# Altium PCB PCB.PcbDoc (part 2 of 2)
Units mm, origin at the board's own origin, x right, y up, seen from the top; angles counter-clockwise.
Board outline 90 x 90 mm, 4 copper layers (Component Side, Power, Ground Plane, Solder Side), stack 1.474 mm thick; 113 components, 123 nets, 573 pads, 264 vias.
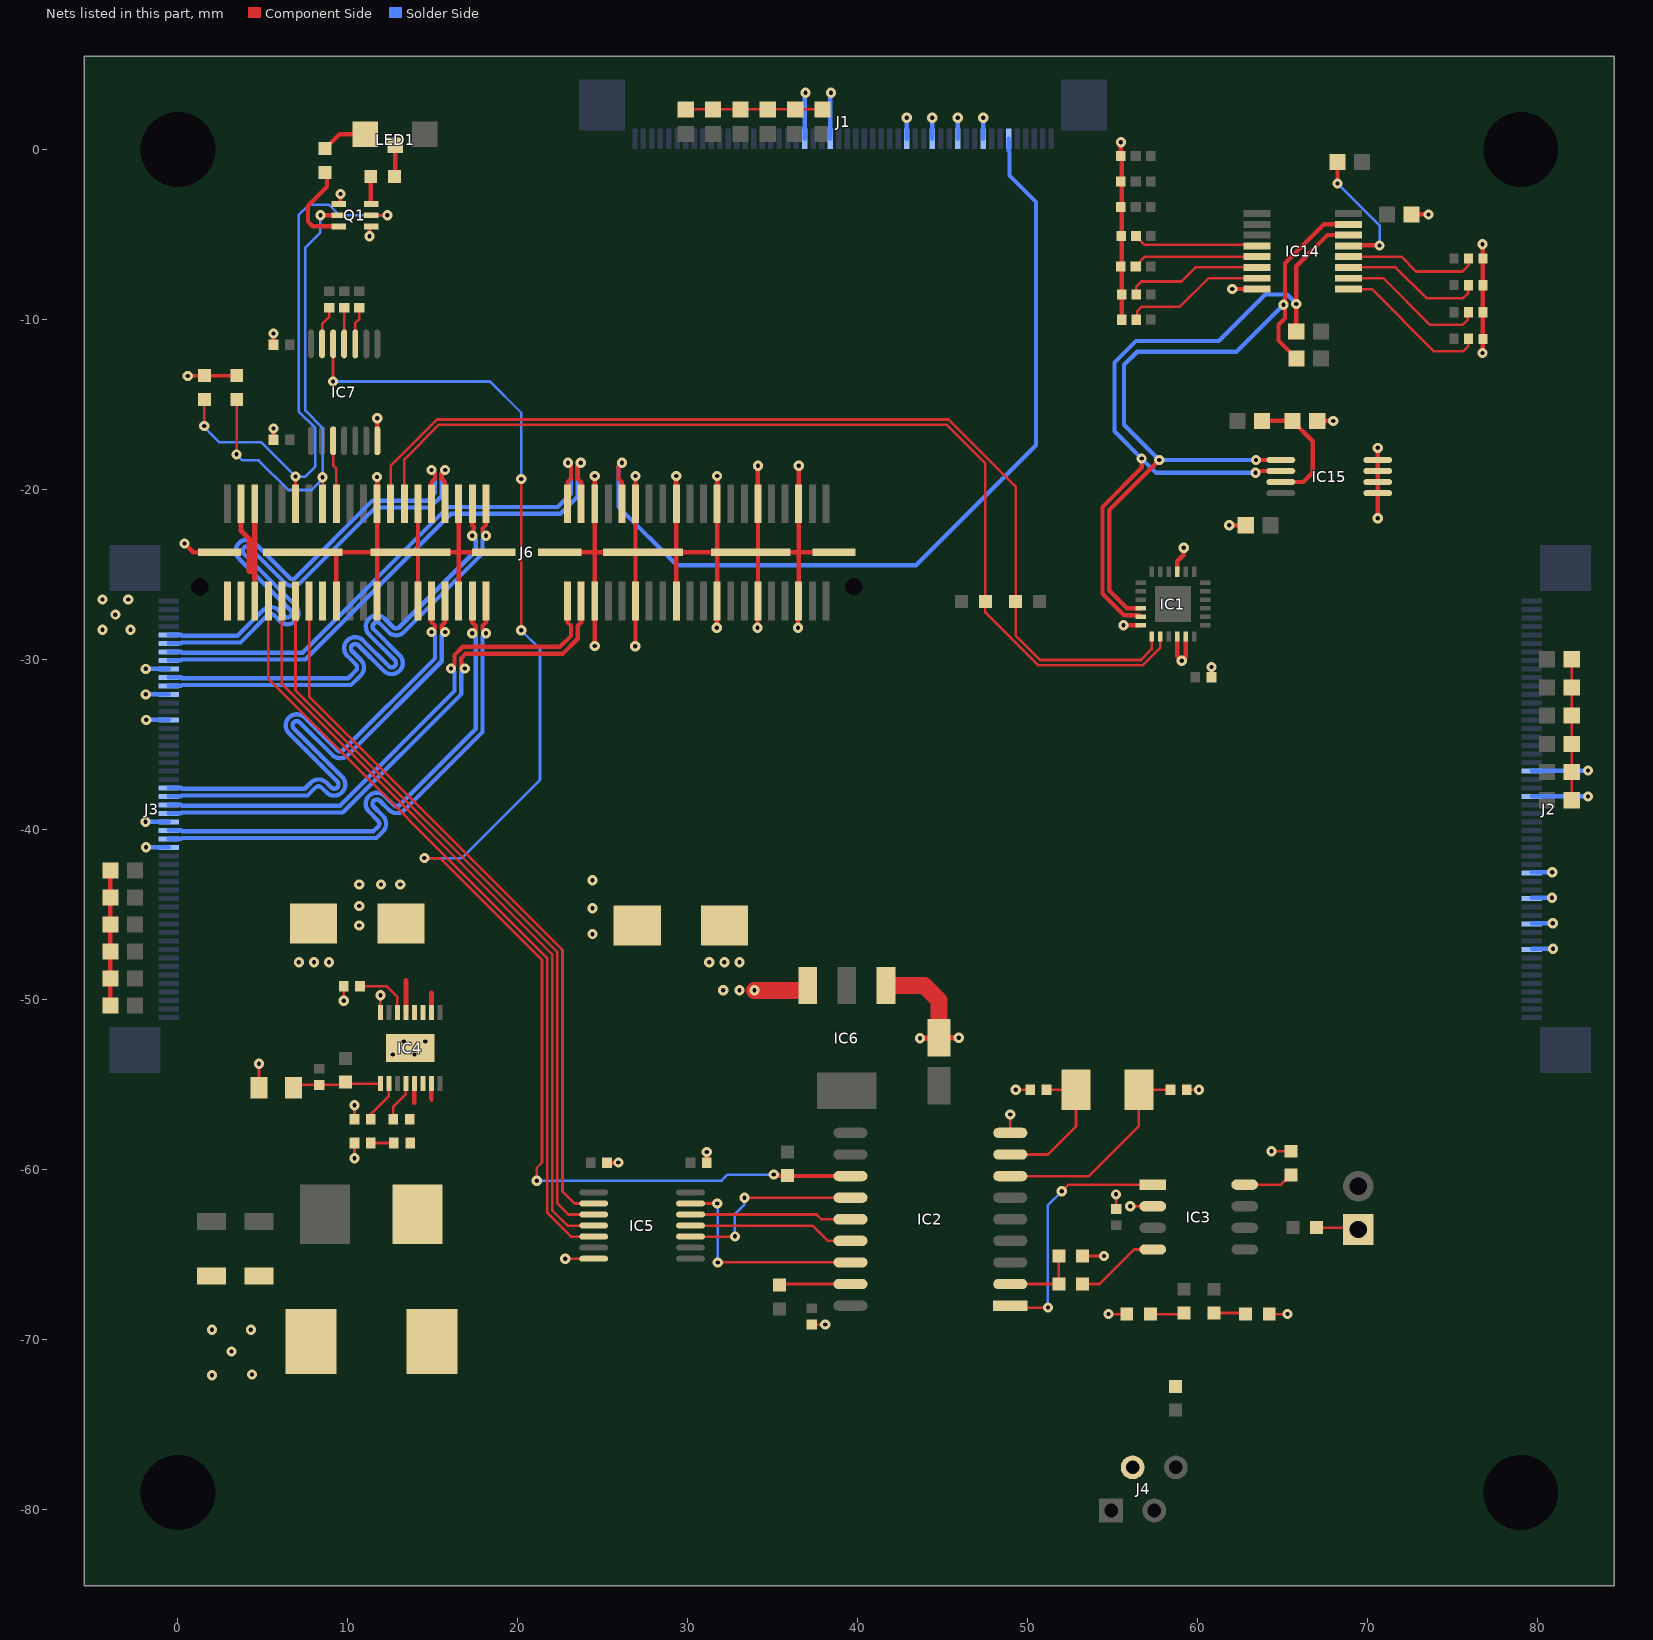
[diagram p4: the nets of this part, all layers, seen from the top]

## Via types
v1: diameter 0.6, hole 0.25, Component Side to Solder Side, 259 vias
v2: diameter 0.6, hole 0.25, Component Side to Solder Side, tented both sides, 4 vias
v3: diameter 0.6, hole 0.25, Component Side to Solder Side, tented bottom, 1 vias

## Nets (pads, with @x,y where several pads share a name; then routed paths per layer and width w, separated by ;. In a path a pad name is that pad's centre, name@x,y a point inside that pad or via, vN(x,y) a via of type N, cw(c..) or ccw(c..) an arc to the next point about the centre after c; other vN are vias at no path point) (continued)
CSI3_D1_P: J1.6 J6.32 | length 52.8
  Component Side w0.25: J6.32@26.119,-20.826 26.119,-19.565 25.92,-19.366 25.92,-18.627 v1(26.12,-18.427)
  Solder Side w0.25: v1(26.12,-18.427) 25.92,-18.627 25.92,-21.018 29.352,-24.45 43.415,-24.45 50.475,-17.39 50.475,-3.082 48.924,-1.53 48.924,-0.131 48.875,-0.082 J1.6@48.875,0.643
CSI4_CLK_N: J3.28 J6.43 | length 30.9
  Component Side w0.25: v1(17.314,-28.451) 17.515,-28.251 17.515,-28.015 17.316,-27.816 J6.43@17.316,-26.556
  Solder Side w0.25: J3.28@-0.55,-40.049 0.176,-40.049 0.225,-40.098 11.507,-40.098 11.769,-39.836 ccw(c11.593,-39.659) 11.843,-39.659 ccw(c11.593,-39.659) 11.769,-39.482 11.236,-38.948 cw(c11.697,-38.487) 12.158,-38.026 12.692,-38.56 ccw(c12.868,-38.383) 13.045,-38.56 17.515,-34.09 17.515,-28.652 v1(17.314,-28.451)
CSI4_CLK_P: J3.29 J6.41 | length 31.6
  Component Side w0.25: J6.41@18.116,-26.556 18.116,-27.816 17.917,-28.015 17.917,-28.251 v1(18.118,-28.451)
  Solder Side w0.25: J3.29@-0.55,-40.549 0.176,-40.549 0.225,-40.5 11.674,-40.5 12.054,-40.12 ccw(c11.593,-39.659) 12.245,-39.659 ccw(c11.593,-39.659) 12.054,-39.198 11.52,-38.664 cw(c11.697,-38.487) 11.519,-38.311 ; 11.52,-38.31 cw(c11.697,-38.487) 11.874,-38.31 12.407,-38.844 ccw(c12.868,-38.383) 13.329,-38.844 17.917,-34.257 17.917,-28.652 v1(18.118,-28.451)
CSI4_D0_N: J3.25 J6.39 | length 31.4
  Component Side w0.25: v1(16.069,-30.534) 16.27,-30.333 16.27,-29.736 16.755,-29.251 22.479,-29.251 23.118,-28.612 23.118,-28.015 22.919,-27.816 J6.39@22.919,-26.556
  Solder Side w0.25: J3.25@-0.55,-38.549 0.176,-38.549 0.225,-38.598 9.53,-38.598 16.27,-31.858 16.27,-30.735 v1(16.069,-30.534)
CSI4_D0_P: J3.26 J6.37 | length 32
  Component Side w0.25: v1(16.872,-30.534) 16.672,-30.333 16.672,-29.903 16.922,-29.653 22.646,-29.653 23.52,-28.779 23.52,-28.015 23.719,-27.816 J6.37@23.719,-26.556
  Solder Side w0.25: J3.26@-0.55,-39.049 0.176,-39.049 0.225,-39 9.696,-39 16.672,-32.024 16.672,-30.735 v1(16.872,-30.534)
CSI4_D1_N: J3.23 J6.49 | length 31.2
  Component Side w0.25: v1(14.914,-28.375) 15.115,-28.174 15.115,-27.998 14.933,-27.816 14.916,-27.816 J6.49@14.916,-26.556
  Solder Side w0.25: J3.23@-0.55,-37.549 0.176,-37.549 0.225,-37.598 7.456,-37.598 7.808,-37.245 cw(c8.27,-37.707) 8.731,-37.245 9.015,-37.53 ccw(c9.192,-37.353) 9.368,-37.53 ccw(c9.192,-37.353) 9.442,-37.353 ccw(c9.192,-37.353) 9.368,-37.176 6.528,-34.336 cw(c6.989,-33.875) 7.45,-33.414 9.368,-35.332 ccw(c9.545,-35.155) 9.722,-35.332 15.115,-29.939 15.115,-28.576 v1(14.914,-28.375)
CSI4_D1_P: J3.24 J6.47 | length 31.8
  Component Side w0.25: J6.47@15.716,-26.556 15.716,-27.816 15.699,-27.816 15.517,-27.998 15.517,-28.174 v1(15.718,-28.375)
  Solder Side w0.25: J3.24@-0.55,-38.049 0.176,-38.049 0.225,-38 7.622,-38 8.093,-37.53 cw(c8.27,-37.707) 8.446,-37.53 8.731,-37.814 ccw(c9.192,-37.353) 9.844,-37.353 ccw(c9.192,-37.353) 9.653,-36.892 6.812,-34.051 cw(c6.989,-33.875) 6.812,-33.698 ; 6.812,-33.698 cw(c6.989,-33.875) 7.166,-33.698 9.084,-35.616 ccw(c9.545,-35.155) 10.006,-35.616 15.517,-30.106 15.517,-28.576 v1(15.718,-28.375)
CSI5_CLK_N: J3.10 J6.44 | length 31.9
  Component Side w0.25: v1(17.314,-22.717) 17.397,-22.634 17.397,-22.167 17.316,-22.086 J6.44@17.316,-20.826
  Solder Side w0.25: J3.10@-0.55,-31.049 0.176,-31.049 0.225,-31.098 10.017,-31.098 10.466,-30.65 ccw(c10.289,-30.473) 10.539,-30.473 ccw(c10.289,-30.473) 10.466,-30.296 9.965,-29.795 cw(c10.426,-29.334) 10.887,-28.873 12.397,-30.383 ccw(c12.573,-30.206) 12.75,-30.384 ; 12.75,-30.383 ccw(c12.573,-30.206) 12.823,-30.206 ccw(c12.573,-30.206) 12.75,-30.029 11.241,-28.52 cw(c11.702,-28.059) 12.163,-27.598 12.663,-28.098 ccw(c12.84,-27.921) 13.017,-28.098 17.515,-23.6 17.515,-22.918 v1(17.314,-22.717)
CSI5_CLK_P: J3.11 J6.42 | length 32.6
  Component Side w0.25: J6.42@18.116,-20.826 18.116,-22.086 17.917,-22.285 17.917,-22.517 v1(18.118,-22.717)
  Solder Side w0.25: J3.11@-0.55,-31.549 0.176,-31.549 0.225,-31.5 10.184,-31.5 10.75,-30.934 ccw(c10.289,-30.473) 10.941,-30.473 ccw(c10.289,-30.473) 10.75,-30.012 10.249,-29.511 cw(c10.426,-29.334) 10.249,-29.158 ; 10.249,-29.158 cw(c10.426,-29.334) 10.603,-29.158 12.112,-30.667 ccw(c12.573,-30.206) 13.225,-30.206 ccw(c12.573,-30.206) 13.035,-29.745 11.525,-28.235 cw(c11.702,-28.059) 11.524,-27.882 cw(c11.702,-28.059) 11.878,-27.882 12.379,-28.383 ccw(c12.84,-27.921) 13.301,-28.383 17.917,-23.767 17.917,-22.918 v1(18.118,-22.717)
CSI5_D0_N: J3.7 J6.40 | length 32.1
  Component Side w0.25: J6.40@22.919,-20.826 22.919,-19.565 23.118,-19.366 v1@23.118,-18.429 ; v1(22.943,-18.427) v1@23.031,-18.515
  Solder Side w0.25: J3.7@-0.55,-29.549 0.176,-29.549 0.225,-29.598 7.319,-29.598 15.893,-21.024 22.339,-21.024 23.118,-20.245 23.118,-18.602 v1(22.943,-18.427)
CSI5_D0_P: J3.8 J6.38 | length 32.7
  Component Side w0.25: v1@23.52,-18.429 23.52,-19.366 23.719,-19.565 J6.38@23.719,-20.826 ; v1@23.606,-18.515 v1(23.695,-18.427)
  Solder Side w0.25: J3.8@-0.55,-30.049 0.176,-30.049 0.225,-30 7.486,-30 16.06,-21.426 22.506,-21.426 23.52,-20.412 23.52,-18.602 v1(23.695,-18.427)
CSI5_D1_N: J3.5 J6.50 | length 32
  Component Side w0.25: v1(14.914,-18.85) 15.115,-19.051 15.115,-19.366 14.916,-19.565 J6.50@14.916,-20.826
  Solder Side w0.25: J3.5@-0.55,-28.549 0.176,-28.549 0.225,-28.598 3.507,-28.598 5.001,-27.104 cw(c5.462,-27.565) 5.923,-27.104 6.272,-27.453 ccw(c6.448,-27.276) 6.625,-27.453 ccw(c6.448,-27.276) 6.698,-27.276 ccw(c6.448,-27.276) 6.625,-27.099 3.594,-24.068 cw(c4.055,-23.607) 4.516,-23.146 6.561,-25.191 ccw(c6.738,-25.014) 6.915,-25.191 11.451,-20.654 14.67,-20.654 15.115,-20.209 15.115,-19.051 v1(14.914,-18.85)
CSI5_D1_P: J3.6 J6.48 | length 32.6
  Component Side w0.25: J6.48@15.716,-20.826 15.716,-19.565 15.517,-19.366 15.517,-19.051 v1(15.718,-18.85)
  Solder Side w0.25: J3.6@-0.55,-29.049 0.176,-29.049 0.225,-29 3.674,-29 5.285,-27.388 cw(c5.462,-27.565) 5.639,-27.388 5.987,-27.737 ccw(c6.448,-27.276) 7.1,-27.276 ccw(c6.448,-27.276) 6.909,-26.815 3.878,-23.784 cw(c4.055,-23.607) 3.878,-23.431 ; 3.878,-23.43 cw(c4.055,-23.607) 4.232,-23.43 6.277,-25.475 ccw(c6.738,-25.014) 7.199,-25.475 11.618,-21.056 14.837,-21.056 15.517,-20.376 15.517,-19.051 v1(15.718,-18.85)
GND: C1.2 C3.1 C4.1 C6.1 C7.1 C8.1 C9.2 C10.2 C11.1 C12.1 C13.1 C14.1 C15.2 C16.2 C17.2 C18.1 C19.2 C20.1 C28.1 C61.1 D1.A IC1.9 IC1.18 IC1.22 IC1.23 IC2.9 IC3.2 IC4.16 IC4.GND IC5.7 IC6.1 IC7.7 IC14.8 IC15.1 IC15.2 IC15.3 IC15.4 J1.9 J1.12 J1.15 J1.18 J1.27 J1.30 J2.9 J2.12 J2.15 J2.18 J2.27 J2.30 J3.9 J3.12 J3.15 J3.27 J3.30 J4.2 J6.5 J6.6 J6.11 J6.12 J6.17 J6.18 J6.23 J6.24 J6.29 J6.30 J6.35 J6.36 J6.45 J6.46 J6.51 J6.52 J6.57 J6.58 J6.63 J6.81 J6.82 J6.83 J6.84 J6.85 J6.86 J6.87 J6.88 Q1.1 Q1.4 R4.1 R6.1 R12.1 R13.1 R31.2 R32.2 R50.1 R52.2 R53.2 R58.2 R59.2 R60.1 R64.2 R65.2 R66.1 R69.2 R70.2 R72.1 | length 194.6
  Component Side w0.152: R6.1@4.768,-55.182 v1(4.768,-53.785) ; v1(9.749,-50.074) R4.1@9.749,-49.213 ; v1(10.384,-59.345) C7.1@10.384,-58.442 ; C6.1@10.384,-57.045 v1(10.384,-56.226) ; IC4.16@11.908,-50.758 v1(11.908,-49.749) ; v1(22.778,-65.25) IC5.7@24.455,-65.25 ; C10.2@37.28,-69.124 v1(38.082,-69.124) ; IC2.9@48.964,-57.849 v1(48.964,-56.765) ; v1(49.286,-55.309) C14.1@50.135,-55.309 ; R12.1@53.218,-65.088 v1(54.473,-65.088) ; v1(54.737,-68.507) C12.1@55.817,-68.507 ; C9.2@55.187,-62.322 v1(55.187,-61.464) ; v1(56.017,-62.167) IC3.2@57.346,-62.167 ; C13.1@59.35,-55.309 v1(60.061,-55.309) ; C11.1@64.199,-68.507 v1(65.278,-68.507) ; v1(64.336,-58.929) R13.1@65.474,-58.929
  Component Side w0.2: v1(0.577,-13.317) 0.599,-13.294 R32.2@1.553,-13.294 R31.2@3.459,-13.294
  Component Side w0.254: v1(0.381,-23.168) 0.898,-23.685 J6.88@2.447,-23.685 ; C18.1@5.616,-17.072 v1(5.616,-16.409) ; C19.2@5.616,-11.484 v1(5.616,-10.821) ; J6.63@9.316,-26.556 9.316,-23.764 9.396,-23.685 J6.86@11.716,-23.685 ; Q1.1@9.564,-3.214 v1(9.564,-2.606) ; v1(11.264,-5.097) Q1.4@11.264,-4.514 ; J6.57@11.716,-26.556 J6.86@11.716,-23.685 ; v1@11.716,-19.202 J6.58@11.716,-20.826 J6.86@11.716,-23.685 ; IC7.7@11.729,-17.128 v1(11.729,-15.808) ; J6.86@13.684,-23.685 J6.86@14.116,-23.685 ; J6.51@14.116,-26.556 J6.86@14.116,-23.685 ; J6.52@14.116,-20.826 J6.86@14.116,-23.685 ; J6.45@16.516,-26.556 16.516,-23.685 ; J6.46@16.516,-20.826 16.516,-23.685 ; J6.85@18.574,-23.685 16.516,-23.685 ; J6.84@22.458,-23.684 24.519,-23.684 ; v1(24.519,-29.205) J6.35@24.519,-26.556 24.519,-23.684 ; v1(24.519,-19.205) J6.36@24.519,-20.826 24.519,-23.684 ; C8.1@25.245,-59.617 25.883,-59.617 v1(25.908,-59.592) ; v1(26.899,-29.213) 26.919,-29.193 J6.29@26.919,-26.556 J6.83@26.919,-23.684 ; v1@26.919,-19.305 J6.30@26.919,-20.826 J6.83@26.919,-23.684 ; J6.23@29.319,-26.556 J6.83@29.319,-23.684 ; v1@29.319,-19.305 J6.24@29.319,-20.826 J6.83@29.319,-23.684 ; C17.2@31.112,-59.617 v1@31.112,-59.035 ; v1@31.699,-28.236 31.699,-26.512 31.719,-26.492 J6.82@31.719,-23.684 ; v1@31.719,-19.305 J6.18@31.719,-20.826 J6.82@31.719,-23.684 ; v1@34.099,-28.236 34.099,-26.512 34.119,-26.492 J6.82@34.119,-23.684 ; J6.12@34.116,-20.326 v1(34.116,-18.602) ; J6.12@34.119,-20.826 J6.82@34.119,-23.684 ; v1(36.474,-28.133) 36.474,-26.601 J6.5@36.519,-26.556 36.519,-23.684 ; J6.6@36.516,-20.326 v1(36.516,-18.602) ; J6.6@36.519,-20.826 36.519,-23.684 ; J6.81@38.585,-23.684 36.519,-23.684 ; R50.1@55.471,-0.382 v1(55.471,0.435) ; R69.2@55.531,-9.775 R50.1@55.531,-0.442 ; v1(55.632,-27.988) IC1.18@56.636,-27.988 ; IC1.22@58.786,-28.638 58.786,-29.803 v1(59.055,-30.072) 59.286,-29.841 IC1.23@59.286,-28.638 ; IC1.9@58.786,-24.838 58.786,-24.223 59.174,-23.835 v1(59.174,-23.427) ; C20.1@60.805,-31.042 v1(60.805,-30.435) ; v1(61.842,-22.097) C61.1@62.82,-22.097 ; v1(62.022,-8.204) IC14.8@63.471,-8.204 ; R72.1@67.02,-15.962 v1(67.965,-15.962) ; v1(70.582,-21.686) IC15.1@70.582,-20.208 IC15.2@70.582,-19.558 IC15.3@70.582,-18.908 IC15.4@70.582,-18.258 v1(70.582,-17.548) ; C28.1@72.57,-3.812 v1(73.574,-3.812) ; v1(76.752,-11.961) v1(76.752,-5.575) ; J6.86@14.116,-23.685 16.516,-23.685 ; 24.519,-23.684 J6.83@26.919,-23.684 ; J6.83@26.919,-23.684 27.348,-23.684 J6.83@29.319,-23.684 ; J6.83@29.319,-23.684 J6.82@31.719,-23.684 ; J6.82@31.719,-23.684 J6.82@33.694,-23.684 J6.82@34.119,-23.684 ; J6.82@34.119,-23.684 36.519,-23.684
  Component Side w0.305: v1(43.647,-52.278) C16.2@44.803,-52.278 ; C16.2@44.778,-52.252 v1(45.934,-52.252)
  Component Side w1: IC6.1@41.648,-49.177 43.907,-49.177 44.778,-50.048 C16.2@44.778,-52.252
  Solder Side w0.254: v1(-1.903,-39.549) J3.27@-0.55,-39.549 ; v1(-1.896,-32.049) J3.12@-0.55,-32.049 ; v1(-1.89,-30.549) J3.9@-0.55,-30.549 ; v1(-1.879,-41.049) J3.30@-0.55,-41.049 ; v1(-1.872,-33.549) J3.15@-0.55,-33.549 ; J1.30@36.875,0.643 36.875,3.301 v1(36.918,3.344) ; J1.27@38.375,0.643 38.375,3.325 v1@38.411,3.361 ; J1.18@42.875,0.643 v1@42.875,1.948 ; J1.15@44.375,0.643 v1@44.375,1.924 ; J1.12@45.875,0.643 v1@45.875,1.9 ; J1.9@47.375,0.643 v1(47.375,1.876) ; J2.9@79.643,-47.016 v1(80.898,-47.016) ; J2.12@79.643,-45.516 v1(80.874,-45.516) ; J2.15@79.643,-44.016 v1(80.829,-44.016) ; J2.18@79.643,-42.516 v1(80.853,-42.516) ; J2.27@79.643,-38.049 82.945,-38.049 v1(82.954,-38.058) ; J2.30@79.643,-36.549 83.003,-36.549 v1@83.018,-36.534
  other v1: 2.002,-72.101 4.353,-72.069 3.145,-70.704 2.002,-69.434 31.112,-58.979 7.112,-47.806 8.001,-47.806 8.89,-47.806 31.255,-47.806 32.144,-47.806 33.033,-47.806 82.954,-36.534 31.699,-28.133 34.099,-28.133 11.716,-19.262 26.919,-19.205 29.319,-19.205 31.719,-19.205 42.875,1.876 44.375,1.876 45.875,1.876 38.411,3.344
  other v2: 12.642,-53.235 13.912,-53.235 13.277,-52.473 14.547,-52.473
  other v3: 4.288,-69.434
GPIO3_CAM1_RST: R28.1
I2C_GP0_SCL_1V8: IC1.19 J6.56 R23.2 | length 60.1
  Component Side w0.152: J6.56@12.516,-20.826 12.516,-18.607 15.242,-15.881 45.337,-15.881 49.276,-19.82 R23.2@49.276,-26.597 49.276,-28.583 50.719,-30.026 56.642,-30.026 57.286,-29.382 IC1.19@57.286,-28.638
I2C_GP0_SDA_1V8: IC1.20 J6.54 R21.2 | length 60
  Component Side w0.152: J6.54@13.316,-20.826 13.316,-18.234 15.367,-16.183 45.212,-16.183 47.498,-18.469 R21.2@47.498,-26.597 47.498,-27.232 50.594,-30.328 56.767,-30.328 57.786,-29.309 IC1.20@57.786,-28.638
I2C_GP7_SCL_1V8: IC1.17 IC14.14 IC15.6 R47.1 | length 46.9
  Component Side w0.254: IC1.17@56.636,-27.488 56.54,-27.392 55.656,-27.392 54.391,-26.126 54.391,-21.025 56.693,-18.723 v1(56.693,-18.168) ; v1(63.39,-19.009) 63.49,-18.908 IC15.6@64.882,-18.908 ; R47.1@65.785,-10.693 v1(65.785,-9.079) 65.785,-6.868 67.623,-5.029 IC14.14@68.871,-5.029
  Solder Side w0.254: v1@63.39,-19.004 v1(63.39,-19.009) 57.533,-19.009 v1(56.693,-18.168) 55.099,-16.574 55.099,-12.524 56.361,-11.262 61.228,-11.262 63.96,-8.53 65.254,-8.53 65.785,-9.061 v1(65.785,-9.079)
I2C_GP7_SDA_1V8: IC1.16 IC14.15 IC15.5 R42.1 | length 46.6
  Component Side w0.254: IC1.16@56.636,-26.988 55.824,-26.988 54.795,-25.959 54.795,-21.192 v1(57.729,-18.258) ; v1(63.426,-18.258) IC15.5@64.882,-18.258 ; v1(65.034,-9.126) 65.108,-9.126 v1@65.132,-9.102 ; R42.1@65.795,-12.283 64.748,-11.236 64.748,-10.301 65.132,-9.917 v1@65.132,-9.102 ; IC14.15@68.871,-4.394 67.426,-4.394 65.132,-6.689 v1@65.132,-9.102
  Solder Side w0.254: v1(63.426,-18.258) v1(57.729,-18.258) 55.66,-16.189 55.66,-12.663 56.43,-11.893 62.267,-11.893 v1(65.034,-9.126)
LED_G: J6.66 Q1.2 R31.1 | length 28.5
  Component Side w0.152: v1@3.459,-17.93 R31.1@3.459,-14.691 ; J6.66@8.509,-20.833 J6.66@8.516,-20.826 8.516,-19.289 v1(8.509,-19.282)
  Component Side w0.254: v1(8.382,-3.864) Q1.2@9.564,-3.864
  Solder Side w0.152: v1@3.447,-17.941 3.79,-18.284 4.748,-18.284 6.49,-20.026 7.867,-20.026 8.509,-19.384 v1(8.509,-19.282) 8.509,-16.377 7.493,-15.361 7.493,-5.769 8.382,-4.88 v1(8.382,-3.864)
  other v1: 3.441,-17.93
LED_R: J6.70 Q1.5 R32.1 | length 34.1
  Component Side w0.152: v1(1.547,-16.26) 1.547,-14.697 R32.1@1.553,-14.691 ; v1(6.911,-19.237) 6.916,-19.242 J6.70@6.916,-20.826 ; Q1.5@11.264,-3.864 Q1.5@11.364,-3.864 v1(12.319,-3.864) 12.522,-3.864 12.471,-3.813 v1@12.319,-3.813
  Solder Side w0.152: v1(1.547,-16.26) 1.547,-16.342 2.432,-17.227 4.901,-17.227 v1(6.911,-19.237) 7.491,-19.237 8.088,-18.64 8.088,-16.383 7.104,-15.399 7.104,-3.847 7.702,-3.249 8.899,-3.249 9.514,-3.864 v1(12.319,-3.864) 12.522,-3.864 12.471,-3.813 v1@12.319,-3.813
NetC2_1: C2.1 D1.C IC4.SW L1.1 R5.2 | length 2.1
  Component Side w0.152: 14.908,-55.843 14.908,-55.924 14.928,-55.944
  Component Side w0.254: 13.908,-56.067 IC4.SW@13.908,-54.949 ; 14.908,-55.843 IC4.SW@14.908,-54.949
NetC2_2: C2.2 IC4.4 | length 2.4
  Component Side w0.152: C2.2@12.67,-57.045 12.67,-56.297 13.408,-55.559 IC4.4@13.408,-54.949
NetC5_2: C5.2 IC4.1 R3.2 R6.2 | length 5.3
  Component Side w0.152: R6.2@6.8,-55.182 6.955,-55.027 C5.2@8.324,-55.027 9.686,-55.027 R3.2@9.848,-54.865 9.933,-54.949 IC4.1@11.908,-54.949
NetC6_2: C6.2 IC4.2 | length 2.5
  Component Side w0.152: C6.2@11.344,-57.045 11.344,-56.734 12.408,-55.67 IC4.2@12.408,-54.949
NetC7_2: C7.2 R5.1 | length 1.4
  Component Side w0.152: C7.2@11.344,-58.442 R5.1@12.698,-58.442
NetC11_2: C11.2 R10.1 | length 1.8
  Component Side w0.152: R10.1@60.96,-68.443 C11.2@62.738,-68.443
NetC12_2: C12.2 R11.1 | length 1.9
  Component Side w0.152: C12.2@57.214,-68.507 R11.1@59.119,-68.507
NetIC2_17: IC2.17 R8.1 | length 4.1
  Component Side w0.152: R8.1@35.438,-66.739 IC2.17@39.566,-66.739
NetIC3_4: IC3.4 R9.2 | length 5
  Component Side w0.152: R9.2@53.218,-66.739 54.219,-66.739 56.251,-64.707 IC3.4@57.346,-64.707
NetIC3_8: IC3.8 R13.2 | length 3
  Component Side w0.152: IC3.8@62.756,-60.897 64.902,-60.897 R13.2@65.474,-60.326
NetIC4_14: IC4.14 R4.2 | length 3.4
  Component Side w0.152: R4.2@10.709,-49.213 12.261,-49.213 12.908,-49.86 IC4.14@12.908,-50.758
NetIC7_10: IC7.10 R29.1 | length 2.2
  Component Side w0.152: IC7.10@10.429,-11.428 10.429,-10.199 10.668,-9.96 R29.1@10.668,-9.297
NetIC7_11: IC7.11 R15.1 | length 2.1
  Component Side w0.152: IC7.11@9.779,-11.428 R15.1@9.779,-9.297
NetIC7_13: IC7.13 R14.1 | length 2.3
  Component Side w0.152: IC7.13@8.479,-11.428 8.479,-10.269 8.89,-9.858 R14.1@8.89,-9.297
NetIC14_13: IC14.13 R43.1 | length 7.7
  Component Side w0.254: v1(68.214,-1.993) R43.1@68.214,-0.733 ; IC14.13@68.899,-5.636 v1(70.692,-5.636)
  Solder Side w0.152: v1(68.214,-1.993) 70.692,-4.471 v1(70.692,-5.636)
NetIC15_7: IC15.7 R71.1 R72.2 | length 7.4
  Component Side w0.254: R71.1@63.783,-15.962 R72.2@65.57,-15.962 66.765,-17.157 66.765,-18.989 66.196,-19.558 IC15.7@64.882,-19.558
NetLED1_C1: LED1.C1 R7.2 | length 2.7
  Component Side w0.254: R7.2@8.661,0.06 9.512,0.911 LED1.C1@11.026,0.911
NetLED1_C2: LED1.C2 R2.2 | length 1.8
  Component Side w0.254: R2.2@12.776,-1.54 LED1.C2@12.776,0.261
NetQ1_3: Q1.3 R7.1 | length 5.2
  Component Side w0.254: R7.1@8.763,-1.514 8.763,-2.188 7.645,-3.305 7.645,-4.245 7.914,-4.514 Q1.3@9.564,-4.514
NetQ1_6: Q1.6 R2.1 | length 1.7
  Component Side w0.254: Q1.6@11.264,-3.214 11.341,-3.137 R2.1@11.341,-1.578
NetR1_2: R1.2 TERM.1 | length 2.6
  Component Side w0.152: R1.2@66.993,-63.427 TERM.1@69.596,-63.427
NetR16_2: R16.2 R22.2 R27.2 R40.2 R74.2 R76.2 | length 8.3
  Component Side w0.152: R74.2@81.996,-38.282 R16.2@81.996,-36.622 R27.2@81.996,-34.962 R40.2@81.996,-33.302 R76.2@81.996,-31.642 R22.2@81.996,-29.982
NetR17_2: R17.2 R26.2 R39.2 R54.2 R75.2 R77.2 | length 7.9
  Component Side w0.254: R26.2@-3.979,-50.357 R77.2@-3.979,-48.767 R54.2@-3.979,-47.177 R39.2@-3.979,-45.587 R17.2@-3.979,-43.997 R75.2@-3.979,-42.407
NetR18_2: R18.2 R19.2 R20.2 R24.2 R25.2 R73.2 | length 8.1
  Component Side w0.152: R20.2@29.871,2.368 R19.2@31.481,2.368 R18.2@33.091,2.368 R25.2@34.701,2.368 R24.2@36.311,2.368 R73.2@37.921,2.368
OSC1: C14.2 IC2.8 Y1.1 | length 8.4
  Component Side w0.152: IC2.8@48.964,-59.119 51.171,-59.119 52.829,-57.461 Y1.1@52.829,-55.309 C14.2@51.095,-55.309
OSC2: C13.2 IC2.7 Y1.2 | length 12.8
  Component Side w0.152: IC2.7@48.964,-60.389 53.584,-60.389 56.529,-57.444 Y1.2@56.529,-55.309 C13.2@58.39,-55.309
P0: IC14.4 R49.1 R52.1 | length 7.4
  Component Side w0.152: R52.1@56.341,-5.082 56.341,-5.096 56.852,-5.608 63.414,-5.608 IC14.4@63.471,-5.664
P1: IC14.5 R55.1 R58.1 | length 7.4
  Component Side w0.152: R58.1@56.321,-6.882 56.903,-6.299 IC14.5@63.471,-6.299
P2: IC14.6 R61.1 R64.1 | length 8
  Component Side w0.152: R64.1@56.378,-8.53 56.378,-8.065 56.68,-7.763 59.032,-7.763 59.86,-6.934 IC14.6@63.471,-6.934
P3: IC14.7 R67.1 R69.1 | length 8.4
  Component Side w0.152: R69.1@56.381,-10.006 56.427,-9.96 56.427,-9.527 56.712,-9.242 58.944,-9.242 60.616,-7.569 IC14.7@63.471,-7.569 ; R67.1@56.385,-9.999 R69.1@56.385,-9.954
P4: IC14.9 R48.1 R53.1 | length 9.1
  Component Side w0.152: IC14.9@68.871,-8.204 70.235,-8.204 73.896,-11.865 75.611,-11.865 75.902,-11.574 R53.1@75.902,-11.145
P5: IC14.10 R56.1 R59.1 | length 8.7
  Component Side w0.152: IC14.10@68.871,-7.569 70.919,-7.569 73.663,-10.313 75.58,-10.313 75.871,-10.022 R59.1@75.871,-9.567
P6: IC14.11 R62.1 R65.1 | length 8.4